# Allegro board 038NC-GRIFFI-V9A_16_20260429.brd (continued)
## Routing (per net, layer and track width the routed paths; a pad name or vN(x,y) marks a point on that pad's centre or on a via; arc(x,y) is an arc through that point) (continued)
  TOP w0.152: SITE1.S11 SITE1.F11 v1(28.99,261.57)
  L05_SIGNAL w0.076: v1(28.99,261.57) 29.78,262.36 30.51,262.36 30.91,261.95 30.91,261.09 31.22,260.78 35.41,260.78 37.9,263.27 37.9,273.18 32.66,278.41 32.66,293.37 30.09,295.94 v1(29.27,295.94)
  L30_SIGNAL w0.076: 30.02,348.26 30.02,296.69 v1(29.27,295.94)
GX1X_764_3-188: length 102.6
  TOP w0.152: SITE1.S12 SITE1.F12 29.39,262.44 v1(30.26,261.57)
  L05_SIGNAL w0.076: v1(30.26,261.57) 30.26,260.93 30.84,260.35 35.61,260.35 38.28,263.02 38.28,273.53 33.17,278.64 33.17,295.55 30.24,298.48 v1(29.27,298.48)
  L07_SIGNAL w0.076: 27.28,345.85 27.28,329.29 28.45,328.12 28.45,299.31 v1(29.27,298.48)
GX1X_765_3-189: length 103.6
  TOP w0.152: SITE1.S13 SITE1.F13 29.79,263.31 v1(31.53,261.57)
  L05_SIGNAL w0.076: v1(31.53,261.57) 32.19,262.23 36.22,262.23 37.26,263.27 37.26,269.93 36.3,270.89 34.11,270.89 32.61,272.39 32.61,276.43 30.18,278.87 30.18,293.29 27.53,295.94 v1(26.73,295.94)
  L26_SIGNAL w0.076: 25.17,348.65 25.17,297.5 v1(26.73,295.94)
GX1X_766_3-190: length 37.1
  L07_SIGNAL w0.076: UNK1K4.4 31.4,327.99 29.97,329.41 29.97,345.77
GX1X_770_4-2: length 5
  TOP w0.152: v1(151.52,201.57) 149.79,203.31 SITE10.F13 SITE10.S13
  vias: v1(139.01,178.59)
GX1X_771_4-3: length 4.7
  TOP w0.152: v1(150.25,201.57) 149.39,202.44 SITE10.F12 SITE10.S12
  vias: v1(136.47,176.05)
GX1X_772_4-4: length 4.3
  TOP w0.152: SITE10.S11 SITE10.F11 v1(148.98,201.57)
  vias: v1(136.47,178.59)
GX1X_773_4-5: length 4.7
  TOP w0.152: v1(147.71,201.57) 148.58,202.44 SITE10.F10 SITE10.S10
  vias: v1(149.17,176.05)
GX1X_774_4-6: length 5
  TOP w0.152: v1(146.44,201.57) 148.18,203.31 SITE10.F9 SITE10.S9
  vias: v1(149.17,178.59)
GX1X_776_4-8: length 5.5
  TOP w0.152: v1(142.63,203.96) 145.36,206.69 SITE10.F6
  vias: v1(146.63,176.05)
GX1X_777_4-9:
  vias: v1(146.63,178.59) v3(147.36,206.69)
GX1X_778_4-10:
  vias: v1(149.52,136.56)
GX1X_779_4-11:
  vias: v1(146.98,136.56)
GX1X_780_4-12: length 17.9
  TOP w0.152: v1(133.84,214.45) 134.63,213.66 139.61,213.66 140.14,213.13 140.14,209.95 141.01,209.09 143.8,209.09 144.6,208.29 SITE10.F2 SITE10.S2
GX1X_783_4-15:
  vias: v1(154.6,136.56)
GX1X_784_4-16:
  vias: v1(152.06,136.56)
GX1X_785_4-17: length 5.6
  TOP w0.152: v1(155.36,205.38) 153.25,207.49 SITE10.F18 SITE10.S18
  vias: v1(141.55,176.05)
GX1X_786_4-18: length 6
  TOP w0.152: SITE10.S17 SITE10.F17 152.38,207.09 v1(155.36,204.11)
  vias: v1(141.55,178.59)
GX1X_787_4-19: length 6.3
  TOP w0.152: v1(155.36,202.84) 151.51,206.69 SITE10.F16 SITE10.S16
  vias: v1(139.01,176.05)
GX1X_788_4-20: length 1.1
  TOP w0.152: UNK10SH40.1 v1(164.15,142.39)
GX1X_789_4-21: length 1.1
  TOP w0.152: UNK10SH41.1 v1(156.76,142.39)
GX1X_794_4-26: length 5
  TOP w0.152: SITE12.S13 SITE12.F13 179.79,203.31 v1(181.52,201.57)
  vias: v1(169.01,178.59)
GX1X_795_4-27: length 4.7
  TOP w0.152: SITE12.S12 SITE12.F12 179.38,202.44 v1(180.25,201.57)
  vias: v1(166.47,176.05)
GX1X_796_4-28: length 4.3
  TOP w0.152: SITE12.S11 SITE12.F11 v1(178.98,201.57)
  vias: v1(166.47,178.59)
GX1X_797_4-29: length 4.7
  TOP w0.152: v1(177.71,201.57) 178.58,202.44 SITE12.F10 SITE12.S10
  vias: v1(179.17,176.05)
GX1X_798_4-30: length 5
  TOP w0.152: v1(176.44,201.57) 178.18,203.31 SITE12.F9 SITE12.S9
  vias: v1(179.17,178.59)
GX1X_800_4-32: length 5.5
  TOP w0.152: SITE12.F6 175.36,206.69 v1(172.63,203.96)
  vias: v1(176.63,176.05)
GX1X_801_4-33:
  vias: v1(176.63,178.59) v3(177.36,206.69)
GX1X_802_4-34:
  vias: v1(179.52,136.56)
GX1X_803_4-35:
  vias: v1(176.98,136.56)
GX1X_804_4-36: length 17.9
  TOP w0.152: SITE12.S2 SITE12.F2 174.6,208.29 173.8,209.09 171.01,209.09 170.14,209.95 170.14,213.13 169.61,213.66 164.63,213.66 v1(163.84,214.45)
GX1X_807_4-39:
  vias: v1(184.6,136.56)
GX1X_808_4-40:
  vias: v1(182.06,136.56)
GX1X_809_4-41: length 5.6
  TOP w0.152: v1(185.36,205.38) 183.25,207.49 SITE12.F18 SITE12.S18
  vias: v1(171.55,176.05)
GX1X_810_4-42: length 6
  TOP w0.152: SITE12.S17 SITE12.F17 182.38,207.09 v1(185.36,204.11)
  vias: v1(171.55,178.59)
GX1X_811_4-43: length 6.3
  TOP w0.152: v1(185.36,202.84) 181.51,206.69 SITE12.F16 SITE12.S16
  vias: v1(169.01,176.05)
GX1X_812_4-44: length 1.1
  TOP w0.152: UNK12SH40.1 v1(194.15,142.39)
GX1X_813_4-45: length 1.1
  TOP w0.152: UNK12SH41.1 v1(186.76,142.39)
GX1X_818_4-50: length 5
  TOP w0.152: v1(211.52,201.57) 209.78,203.31 SITE14.F13 SITE14.S13
  vias: v1(199.01,178.59)
GX1X_819_4-51: length 4.7
  TOP w0.152: v1(210.25,201.57) 209.38,202.44 SITE14.F12 SITE14.S12
  vias: v1(196.47,176.05)
GX1X_820_4-52: length 4.3
  TOP w0.152: SITE14.S11 SITE14.F11 v1(208.98,201.57)
  vias: v1(196.47,178.59)
GX1X_821_4-53: length 4.7
  TOP w0.152: v1(207.71,201.57) 208.58,202.44 SITE14.F10 SITE14.S10
  vias: v1(209.17,176.05)
GX1X_822_4-54: length 5
  TOP w0.152: SITE14.S9 SITE14.F9 208.18,203.31 v1(206.44,201.57)
  vias: v1(209.17,178.59)
GX1X_824_4-56: length 5.5
  TOP w0.152: SITE14.F6 205.36,206.69 v1(202.63,203.96)
  vias: v1(206.63,176.05)
GX1X_825_4-57:
  vias: v1(206.63,178.59) v3(207.36,206.69)
GX1X_826_4-58:
  vias: v1(209.52,136.56)
GX1X_827_4-59:
  vias: v1(206.98,136.56)
GX1X_828_4-60: length 17.9
  TOP w0.152: SITE14.S2 SITE14.F2 204.6,208.29 203.8,209.09 201.01,209.09 200.14,209.95 200.14,213.13 199.61,213.66 194.63,213.66 v1(193.84,214.45)
GX1X_831_4-63:
  vias: v1(214.6,136.56)
GX1X_832_4-64:
  vias: v1(212.06,136.56)
GX1X_833_4-65: length 5.6
  TOP w0.152: SITE14.S18 SITE14.F18 213.25,207.49 v1(215.36,205.38)
  vias: v1(201.55,176.05)
GX1X_834_4-66: length 6
  TOP w0.152: SITE14.S17 SITE14.F17 212.38,207.09 v1(215.36,204.11)
  vias: v1(201.55,178.59)
GX1X_835_4-67: length 6.3
  TOP w0.152: v1(215.36,202.84) 211.51,206.69 SITE14.F16 SITE14.S16
  vias: v1(199.01,176.05)
GX1X_836_4-68: length 1.1
  TOP w0.152: UNK14SH40.1 v1(224.15,142.39)
GX1X_837_4-69: length 1.1
  TOP w0.152: UNK14SH41.1 v1(216.76,142.39)
GX1X_842_4-74: length 5
  TOP w0.152: v1(241.52,201.57) 239.78,203.31 SITE16.F13 SITE16.S13
  vias: v1(229.01,178.59)
GX1X_843_4-75: length 4.7
  TOP w0.152: SITE16.S12 SITE16.F12 239.38,202.44 v1(240.25,201.57)
  vias: v1(226.47,176.05)
GX1X_844_4-76: length 4.3
  TOP w0.152: SITE16.S11 SITE16.F11 v1(238.98,201.57)
  vias: v1(226.47,178.59)
GX1X_845_4-77: length 4.7
  TOP w0.152: v1(237.71,201.57) 238.58,202.44 SITE16.F10 SITE16.S10
  vias: v1(239.17,176.05)
GX1X_846_4-78: length 5
  TOP w0.152: SITE16.S9 SITE16.F9 238.18,203.31 v1(236.44,201.57)
  vias: v1(239.17,178.59)
GX1X_848_4-80: length 5.5
  TOP w0.152: v1(232.63,203.96) 235.36,206.69 SITE16.F6
  vias: v1(236.63,176.05)
GX1X_849_4-81:
  vias: v1(236.63,178.59) v3(237.36,206.69)
GX1X_850_4-82:
  vias: v1(239.52,136.56)
GX1X_851_4-83:
  vias: v1(236.98,136.56)
GX1X_852_4-84: length 17.9
  TOP w0.152: SITE16.S2 SITE16.F2 234.6,208.29 233.8,209.09 231.01,209.09 230.14,209.95 230.14,213.13 229.61,213.66 224.63,213.66 v1(223.84,214.45)
GX1X_855_4-87:
  vias: v1(244.6,136.56)
GX1X_856_4-88:
  vias: v1(242.06,136.56)
GX1X_857_4-89: length 5.6
  TOP w0.152: v1(245.36,205.38) 243.25,207.49 SITE16.F18 SITE16.S18
  vias: v1(231.55,176.05)
GX1X_858_4-90: length 6
  TOP w0.152: SITE16.S17 SITE16.F17 242.38,207.09 v1(245.36,204.11)
  vias: v1(231.55,178.59)
GX1X_859_4-91: length 6.3
  TOP w0.152: v1(245.36,202.84) 241.51,206.69 SITE16.F16 SITE16.S16
  vias: v1(229.01,176.05)
GX1X_860_4-92: length 1.1
  TOP w0.152: UNK16SH40.1 v1(254.15,142.39)
GX1X_861_4-93: length 1.1
  TOP w0.152: UNK16SH41.1 v1(246.76,142.39)
GX1X_865_4-97: length 5
  TOP w0.152: v1(116.45,201.57) 118.18,203.31 SITE8.F9 SITE8.S9
  vias: v1(119.17,178.59)
GX1X_866_4-98: length 4.7
  TOP w0.152: SITE8.S10 SITE8.F10 118.58,202.44 v1(117.72,201.57)
  vias: v1(119.17,176.05)
GX1X_867_4-99: length 4.3
  TOP w0.152: SITE8.S11 SITE8.F11 v1(118.99,201.57)
  vias: v1(106.47,178.59)
GX1X_868_4-100: length 4.7
  TOP w0.152: SITE8.S12 SITE8.F12 119.39,202.44 v1(120.26,201.57)
  vias: v1(106.47,176.05)
GX1X_869_4-101: length 5
  TOP w0.152: SITE8.S13 SITE8.F13 119.79,203.31 v1(121.53,201.57)
  vias: v1(109.01,178.59)
GX1X_874_4-106: length 1.1
  TOP w0.152: UNK6SH41.1 v1(96.76,142.39)
GX1X_875_4-107: length 1.1
  TOP w0.152: UNK6SH40.1 v1(104.15,142.39)
GX1X_876_4-108: length 6.3
  TOP w0.152: v1(95.36,202.84) 91.51,206.69 SITE6.F16 SITE6.S16
  vias: v1(79.01,176.05)
GX1X_877_4-109: length 6
  TOP w0.152: v1(95.36,204.11) 92.38,207.09 SITE6.F17 SITE6.S17
  vias: v1(81.55,178.59)
GX1X_878_4-110: length 5.6
  TOP w0.152: v1(95.36,205.38) 93.25,207.49 SITE6.F18 SITE6.S18
  vias: v1(81.55,176.05)
GX1X_879_4-111:
  vias: v1(92.06,136.56)
GX1X_880_4-112:
  vias: v1(94.6,136.56)
GX1X_883_4-115: length 17.9
  TOP w0.152: v1(73.84,214.45) 74.63,213.66 79.61,213.66 80.14,213.13 80.14,209.95 81.01,209.09 83.8,209.09 84.6,208.29 SITE6.F2 SITE6.S2
GX1X_884_4-116:
  vias: v1(86.98,136.56)
GX1X_885_4-117:
  vias: v1(89.52,136.56)
GX1X_886_4-118: length 5.5
  TOP w0.152: v1(82.63,203.96) 85.36,206.69 SITE6.F6
  vias: v1(86.63,176.05)
GX1X_887_4-119:
  vias: v1(86.63,178.59) v3(87.36,206.69)
GX1X_889_4-121: length 5
  TOP w0.152: SITE6.S9 SITE6.F9 88.18,203.31 v1(86.45,201.57)
  vias: v1(89.17,178.59)
GX1X_890_4-122: length 4.7
  TOP w0.152: v1(87.72,201.57) 88.59,202.44 SITE6.F10 SITE6.S10
  vias: v1(89.17,176.05)
GX1X_891_4-123: length 4.3
  TOP w0.152: v1(88.99,201.57) SITE6.F11 SITE6.S11
  vias: v1(76.47,178.59)
GX1X_892_4-124: length 4.7
  TOP w0.152: SITE6.S12 SITE6.F12 89.39,202.44 v1(90.26,201.57)
  vias: v1(76.47,176.05)
GX1X_893_4-125: length 5
  TOP w0.152: SITE6.S13 SITE6.F13 89.79,203.31 v1(91.53,201.57)
  vias: v1(79.01,178.59)
GX1X_898_4-130: length 1.1
  TOP w0.152: UNK8SH41.1 v1(126.76,142.39)
GX1X_899_4-131: length 1.1
  TOP w0.152: UNK8SH40.1 v1(134.15,142.39)
GX1X_900_4-132: length 6.3
  TOP w0.152: SITE8.S16 SITE8.F16 121.51,206.69 v1(125.36,202.84)
  vias: v1(109.01,176.05)
GX1X_901_4-133: length 6
  TOP w0.152: v1(125.36,204.11) 122.38,207.09 SITE8.F17 SITE8.S17
  vias: v1(111.55,178.59)
GX1X_902_4-134: length 5.6
  TOP w0.152: SITE8.S18 SITE8.F18 123.25,207.49 v1(125.36,205.38)
  vias: v1(111.55,176.05)
GX1X_903_4-135:
  vias: v1(122.06,136.56)
GX1X_904_4-136:
  vias: v1(124.6,136.56)
GX1X_907_4-139: length 17.9
  TOP w0.152: v1(103.84,214.45) 104.63,213.66 109.61,213.66 110.14,213.13 110.14,209.95 111.01,209.09 113.8,209.09 114.6,208.29 SITE8.F2 SITE8.S2
GX1X_908_4-140:
  vias: v1(116.98,136.56)
GX1X_909_4-141:
  vias: v1(119.52,136.56)
GX1X_910_4-142: length 5.5
  TOP w0.152: v1(112.63,203.96) 115.36,206.69 SITE8.F6
  vias: v1(116.63,176.05)
GX1X_911_4-143:
  vias: v1(116.63,178.59) v3(117.36,206.69)
GX1X_914_4-146: length 1.1
  TOP w0.152: UNK4SH41.1 v1(66.76,142.39)
GX1X_915_4-147: length 1.1
  TOP w0.152: UNK4SH40.1 v1(74.15,142.39)
GX1X_916_4-148: length 6.3
  TOP w0.152: v1(65.36,202.84) 61.51,206.69 SITE4.F16 SITE4.S16
  vias: v1(49.01,176.05)
GX1X_917_4-149: length 6
  TOP w0.152: SITE4.S17 SITE4.F17 62.38,207.09 v1(65.36,204.11)
  vias: v1(51.55,178.59)
GX1X_918_4-150: length 5.6
  TOP w0.152: v1(65.36,205.38) 63.25,207.49 SITE4.F18 SITE4.S18
  vias: v1(51.55,176.05)
GX1X_919_4-151:
  vias: v1(62.06,136.56)
GX1X_920_4-152:
  vias: v1(64.6,136.56)
GX1X_923_4-155: length 17.9
  TOP w0.152: SITE4.S2 SITE4.F2 54.6,208.29 53.8,209.09 51.01,209.09 50.14,209.95 50.14,213.13 49.61,213.66 44.63,213.66 v1(43.84,214.45)
GX1X_924_4-156:
  vias: v1(56.98,136.56)
GX1X_925_4-157:
  vias: v1(59.52,136.56)
GX1X_926_4-158: length 5.5
  TOP w0.152: SITE4.F6 55.36,206.69 v1(52.63,203.96)
  vias: v1(56.63,176.05)
GX1X_927_4-159:
  vias: v1(56.63,178.59) v3(57.36,206.69)
GX1X_929_4-161: length 5
  TOP w0.152: v1(56.45,201.57) 58.19,203.31 SITE4.F9 SITE4.S9
  vias: v1(59.17,178.59)
GX1X_930_4-162: length 4.7
  TOP w0.152: v1(57.72,201.57) 58.59,202.44 SITE4.F10 SITE4.S10
  vias: v1(59.17,176.05)
GX1X_931_4-163: length 4.3
  TOP w0.152: SITE4.S11 SITE4.F11 v1(58.99,201.57)
  vias: v1(46.47,178.59)
GX1X_932_4-164: length 4.7
  TOP w0.152: SITE4.S12 SITE4.F12 59.39,202.44 v1(60.26,201.57)
  vias: v1(46.47,176.05)
GX1X_933_4-165: length 5
  TOP w0.152: SITE4.S13 SITE4.F13 59.79,203.31 v1(61.53,201.57)
  vias: v1(49.01,178.59)
GX1X_938_4-170: length 1.1
  TOP w0.152: UNK2SH41.1 v1(36.76,142.39)
GX1X_939_4-171: length 1.1
  TOP w0.152: UNK2SH40.1 v1(44.15,142.39)
GX1X_940_4-172: length 6.3
  TOP w0.152: v1(35.36,202.84) 31.51,206.69 SITE2.F16 SITE2.S16
  vias: v1(19.01,176.05)
GX1X_941_4-173: length 6
  TOP w0.152: v1(35.36,204.11) 32.38,207.09 SITE2.F17 SITE2.S17
  vias: v1(21.55,178.59)
GX1X_942_4-174: length 5.6
  TOP w0.152: SITE2.S18 SITE2.F18 33.25,207.49 v1(35.36,205.38)
  vias: v1(21.55,176.05)
GX1X_943_4-175:
  vias: v1(32.06,136.56)
GX1X_944_4-176:
  vias: v1(34.6,136.56)
GX1X_947_4-179: length 17.9
  TOP w0.152: v1(13.84,214.45) 14.63,213.66 19.61,213.66 20.14,213.13 20.14,209.95 21.01,209.09 23.8,209.09 24.6,208.29 SITE2.F2 SITE2.S2
GX1X_948_4-180:
  vias: v1(26.98,136.56)
GX1X_949_4-181:
  vias: v1(29.52,136.56)
GX1X_950_4-182: length 5.5
  TOP w0.152: v1(22.63,203.96) 25.36,206.69 SITE2.F6
  vias: v1(26.63,176.05)
GX1X_951_4-183:
  vias: v1(26.63,178.59) v3(27.36,206.69)
GX1X_953_4-185: length 5
  TOP w0.152: SITE2.S9 SITE2.F9 28.19,203.31 v1(26.45,201.57)
  vias: v1(29.17,178.59)
GX1X_954_4-186: length 4.7
  TOP w0.152: v1(27.72,201.57) 28.59,202.44 SITE2.F10 SITE2.S10
  vias: v1(29.17,176.05)
GX1X_955_4-187: length 4.3
  TOP w0.152: v1(28.99,201.57) SITE2.F11 SITE2.S11
  vias: v1(16.47,178.59)
GX1X_956_4-188: length 4.7
  TOP w0.152: SITE2.S12 SITE2.F12 29.39,202.44 v1(30.26,201.57)
  vias: v1(16.47,176.05)
GX1X_957_4-189: length 5
  TOP w0.152: SITE2.S13 SITE2.F13 29.79,203.31 v1(31.53,201.57)
  vias: v1(19.01,178.59)
HDVI_723_10-CH3F: length 4.3
  TOP w0.254: v1(118.99,212) SITE8.F25
  TOP w1.016: v1(118.99,213.78) v1(118.99,212)
  vias: v1(122.06,141.64)
HDVI_723_10-CH3S:
  vias: v1(124.6,141.64) v3(118.99,209.12)
HDVI_725_10-CH5F: length 5
  TOP w0.254: SITE8.F5 114.33,207.09 v1(112.62,205.38)
HDVI_725_10-CH5S:
  vias: v1(114.09,176.05) v3(117.36,207.09)
HDVI_728_10-CH8F: length 4.8
  TOP w0.254: SITE8.F19 124.27,207.89 v1(125.35,206.81)
HDVI_728_10-CH8S:
  vias: v1(114.09,178.59) v3(120.61,207.89)
HDVI_731_10-CH11F: length 4.3
  TOP w0.254: 88.99,212 SITE6.F25
  TOP w1.016: v1(88.99,213.78) 88.99,212
  vias: v1(92.06,141.64)
HDVI_731_10-CH11S:
  vias: v1(94.6,141.64) v3(88.99,209.12)
HDVI_733_10-CH13F: length 5
  TOP w0.254: SITE6.F5 84.33,207.09 v1(82.62,205.38)
HDVI_733_10-CH13S:
  vias: v1(84.09,176.05) v3(87.36,207.09)
HDVI_736_10-CH16F: length 4.8
  TOP w0.254: v1(95.35,206.81) 94.27,207.89 SITE6.F19
HDVI_736_10-CH16S:
  vias: v1(84.09,178.59) v3(90.61,207.89)
HDVI_739_10-CH19F: length 4.3
  TOP w0.254: v1(28.99,212) SITE2.F25
  TOP w1.016: v1(28.99,213.78) v1(28.99,212)
  vias: v1(32.06,141.64)
HDVI_739_10-CH19S:
  vias: v1(34.6,141.64) v3(28.99,209.12)
HDVI_741_10-CH21F: length 5
  TOP w0.254: v1(22.62,205.38) 24.33,207.09 SITE2.F5
HDVI_741_10-CH21S:
  vias: v1(24.09,176.05) v3(27.36,207.09)
HDVI_744_10-CH24F: length 4.8
  TOP w0.254: v1(35.35,206.81) 34.27,207.89 SITE2.F19
HDVI_744_10-CH24S:
  vias: v1(24.09,178.59) v3(30.61,207.89)
HDVI_755_10-CH35F: length 4.3
  TOP w0.254: v1(238.98,212) SITE16.F25
  TOP w1.016: v1(238.98,213.78) v1(238.98,212)
  vias: v1(242.06,141.64)
HDVI_755_10-CH35S:
  vias: v1(244.6,141.64) v3(238.98,209.12)
HDVI_757_10-CH37F: length 5
  TOP w0.254: v1(232.62,205.38) 234.33,207.09 SITE16.F5
HDVI_757_10-CH37S:
  vias: v1(234.09,176.05) v3(237.36,207.09)
HDVI_760_10-CH40F: length 4.8
  TOP w0.254: v1(245.35,206.81) 244.27,207.89 SITE16.F19
HDVI_760_10-CH40S:
  vias: v1(234.09,178.59) v3(240.61,207.89)
HDVI_763_10-CH43F: length 4.3
  TOP w0.254: v1(208.98,212) SITE14.F25
  TOP w1.016: v1(208.98,213.78) v1(208.98,212)
  vias: v1(212.06,141.64)
HDVI_763_10-CH43S:
  vias: v1(214.6,141.64) v3(208.98,209.12)
HDVI_765_10-CH45F: length 5
  TOP w0.254: SITE14.F5 204.33,207.09 v1(202.62,205.38)
HDVI_765_10-CH45S:
  vias: v1(204.09,176.05) v3(207.36,207.09)
HDVI_768_10-CH48F: length 4.8
  TOP w0.254: v1(215.35,206.81) 214.27,207.89 SITE14.F19
HDVI_768_10-CH48S:
  vias: v1(204.09,178.59) v3(210.61,207.89)
HDVI_771_10-CH51F: length 4.3
  TOP w0.254: v1(178.98,212) SITE12.F25
  TOP w1.016: v1(178.98,213.78) v1(178.98,212)
  vias: v1(182.06,141.64)
HDVI_771_10-CH51S:
  vias: v1(184.6,141.64) v3(178.98,209.12)
HDVI_773_10-CH53F: length 5
  TOP w0.254: SITE12.F5 174.33,207.09 v1(172.62,205.38)
HDVI_773_10-CH53S:
  vias: v1(174.09,176.05) v3(177.36,207.09)
HDVI_776_10-CH56F: length 4.8
  TOP w0.254: SITE12.F19 184.27,207.89 v1(185.35,206.81)
HDVI_776_10-CH56S:
  vias: v1(174.09,178.59) v3(180.61,207.89)
HDVI_779_10-CH59F: length 4.3
  TOP w0.254: v1(148.98,212) SITE10.F25
  TOP w1.016: v1(148.98,213.78) v1(148.98,212)
  vias: v1(152.06,141.64)
HDVI_779_10-CH59S:
  vias: v1(154.6,141.64) v3(148.98,209.12)
HDVI_781_10-CH61F: length 5
  TOP w0.254: SITE10.F5 144.33,207.09 v1(142.62,205.38)
HDVI_781_10-CH61S:
  vias: v1(144.09,176.05) v3(147.36,207.09)
HDVI_784_10-CH64F: length 4.8
  TOP w0.254: SITE10.F19 154.27,207.89 v1(155.35,206.81)
HDVI_784_10-CH64S:
  vias: v1(144.09,178.59) v3(150.61,207.89)
HDVI_787_10-CH67F: length 4.3
  TOP w0.254: v1(58.99,212) SITE4.F25
  TOP w1.016: v1(58.99,213.78) v1(58.99,212)
  vias: v1(62.06,141.64)
HDVI_787_10-CH67S:
  vias: v1(64.6,141.64) v3(58.99,209.12)
HDVI_789_10-CH69F: length 5
  TOP w0.254: v1(52.62,205.38) 54.33,207.09 SITE4.F5
HDVI_789_10-CH69S:
  vias: v1(54.09,176.05) v3(57.36,207.09)
HDVI_792_10-CH72F: length 4.8
  TOP w0.254: SITE4.F19 64.27,207.89 v1(65.35,206.81)
HDVI_792_10-CH72S:
  vias: v1(54.09,178.59) v3(60.61,207.89)
HDVI_939_13-CH3F: length 4.3
  TOP w0.254: v1(148.98,272) SITE9.F25
  TOP w1.016: v1(148.98,273.78) v1(148.98,272)
  vias: v1(145.91,335.54)
HDVI_939_13-CH3S:
  vias: v1(143.37,335.54) v3(148.98,269.12)
HDVI_941_13-CH5F: length 5
  TOP w0.254: v1(142.62,265.38) 144.33,267.09 SITE9.F5
HDVI_941_13-CH5S:
  vias: v1(141.65,298.48) v3(147.36,267.09)
HDVI_944_13-CH8F: length 4.8
  TOP w0.254: v1(155.35,266.81) 154.27,267.89 SITE9.F19
HDVI_944_13-CH8S:
  vias: v1(141.65,295.94) v3(150.61,267.89)
HDVI_947_13-CH11F: length 4.3
  TOP w0.254: v1(178.98,272) SITE11.F25
  TOP w1.016: v1(178.98,273.78) v1(178.98,272)
  vias: v1(175.91,335.54)
HDVI_947_13-CH11S:
  vias: v1(173.37,335.54) v3(178.98,269.12)
HDVI_949_13-CH13F: length 5
  TOP w0.254: SITE11.F5 174.33,267.09 v1(172.62,265.38)
HDVI_949_13-CH13S:
  vias: v1(171.65,298.48) v3(177.36,267.09)
HDVI_952_13-CH16F: length 4.8
  TOP w0.254: v1(185.35,266.81) 184.27,267.89 SITE11.F19
HDVI_952_13-CH16S:
  vias: v1(171.65,295.94) v3(180.61,267.89)
HDVI_955_13-CH19F: length 4.3
  TOP w0.254: v1(238.98,272) SITE15.F25
  TOP w1.016: v1(238.98,273.78) v1(238.98,272)
  vias: v1(235.91,335.54)
HDVI_955_13-CH19S:
  vias: v1(233.37,335.54) v3(238.98,269.12)
HDVI_957_13-CH21F: length 5
  TOP w0.254: v1(232.62,265.38) 234.33,267.09 SITE15.F5
HDVI_957_13-CH21S:
  vias: v1(231.65,298.48) v3(237.36,267.09)
HDVI_960_13-CH24F: length 4.8
  TOP w0.254: SITE15.F19 244.27,267.89 v1(245.35,266.81)
HDVI_960_13-CH24S:
  vias: v1(231.65,295.94) v3(240.61,267.89)
HDVI_971_13-CH35F: length 4.3
  TOP w0.254: v1(28.99,272) SITE1.F25
  TOP w1.016: v1(28.99,273.78) v1(28.99,272)
  vias: v1(25.91,335.54)
HDVI_971_13-CH35S:
  vias: v1(23.37,335.54) v3(28.99,269.12)
HDVI_973_13-CH37F: length 5
  TOP w0.254: v1(22.62,265.38) 24.33,267.09 SITE1.F5
HDVI_973_13-CH37S:
  vias: v1(21.65,298.48) v3(27.36,267.09)
HDVI_976_13-CH40F: length 4.8
  TOP w0.254: v1(35.35,266.81) 34.27,267.89 SITE1.F19
HDVI_976_13-CH40S:
  vias: v1(21.65,295.94) v3(30.61,267.89)
HDVI_979_13-CH43F: length 4.3
  TOP w0.254: v1(58.99,272) SITE3.F25
  TOP w1.016: v1(58.99,273.78) v1(58.99,272)
  vias: v1(55.91,335.54)
HDVI_979_13-CH43S:
  vias: v1(53.37,335.54) v3(58.99,269.12)
HDVI_981_13-CH45F: length 5
  TOP w0.254: v1(52.62,265.38) 54.33,267.09 SITE3.F5
HDVI_981_13-CH45S:
  vias: v1(51.65,298.48) v3(57.36,267.09)
HDVI_984_13-CH48F: length 4.8
  TOP w0.254: v1(65.35,266.81) 64.27,267.89 SITE3.F19
HDVI_984_13-CH48S:
  vias: v1(51.65,295.94) v3(60.61,267.89)
HDVI_987_13-CH51F: length 4.3
  TOP w0.254: v1(88.99,272) SITE5.F25
  TOP w1.016: v1(88.99,273.78) v1(88.99,272)
  vias: v1(85.91,335.54)
HDVI_987_13-CH51S:
  vias: v1(83.37,335.54) v3(88.99,269.12)
HDVI_989_13-CH53F: length 5
  TOP w0.254: SITE5.F5 84.33,267.09 v1(82.62,265.38)
HDVI_989_13-CH53S:
  vias: v1(81.65,298.48) v3(87.36,267.09)
HDVI_992_13-CH56F: length 4.8
  TOP w0.254: SITE5.F19 94.27,267.89 v1(95.35,266.81)
HDVI_992_13-CH56S:
  vias: v1(81.65,295.94) v3(90.61,267.89)
HDVI_995_13-CH59F: length 4.3
  TOP w0.254: v1(118.99,272) SITE7.F25
  TOP w1.016: v1(118.99,273.78) v1(118.99,272)
  vias: v1(115.91,335.54)
HDVI_995_13-CH59S:
  vias: v1(113.37,335.54) v3(118.99,269.12)
HDVI_997_13-CH61F: length 5
  TOP w0.254: v1(112.62,265.38) 114.33,267.09 SITE7.F5
HDVI_997_13-CH61S:
  vias: v1(111.65,298.48) v3(117.36,267.09)
HDVI_1000_13-CH64F: length 4.8
  TOP w0.254: SITE7.F19 124.27,267.89 v1(125.35,266.81)
HDVI_1000_13-CH64S:
  vias: v1(111.65,295.94) v3(120.61,267.89)
HDVI_1003_13-CH67F: length 4.3
  TOP w0.254: v1(208.98,272) SITE13.F25
  TOP w1.016: v1(208.98,273.78) v1(208.98,272)
  vias: v1(205.91,335.54)
HDVI_1003_13-CH67S:
  vias: v1(203.37,335.54) v3(208.98,269.12)
HDVI_1005_13-CH69F: length 5
  TOP w0.254: SITE13.F5 204.33,267.09 v1(202.62,265.38)
HDVI_1005_13-CH69S:
  vias: v1(201.65,298.48) v3(207.36,267.09)
HDVI_1008_13-CH72F: length 4.8
  TOP w0.254: v1(215.35,266.81) 214.27,267.89 SITE13.F19
HDVI_1008_13-CH72S:
  vias: v1(201.65,295.94) v3(210.61,267.89)
Net_1069:
  vias: v2(223.98,156.49)
REG1_P3V3: length 3.1
  TOP w0.254: U4.12 58.77,104.26 v1(58.12,104.91)
  vias: v1(56.99,106.51) v1(56.99,104.88) v1(56.99,103.28) v1(56.99,101.68) v1(58.12,103.28) v1(58.12,101.68) v1(75.57,106.97) v1(75.57,105.41) v1(75.57,101.6) v3(58.12,108.17) v3(58.12,107.52) v3(58.12,106.87) v3(58.12,106.22)
REG1_P_5V: length 24.5
  BOTTOM w0.152: v1(197.21,118.36) C101.1 U47.4 U47.2 184.79,108.48 R383.1
RLY_5V:
  vias: v1(27.31,127) v1(39.67,120.65) v1(44.4,120.65) v1(47.14,126.11)
S1_AVSS_GS:
  vias: v1(21.62,268.34) v1(30.46,276.2) v1(30.47,274.78)
S1_AVSS_S[01]: length 6
  TOP w0.152: v1(22.62,268.34) 23.69,268.34 24.13,267.89 SITE1.S3
  BOTTOM w0.152: UNK1RS3.2 v1(22.62,268.34)
S1_EPAD2:
  vias: v1(31.46,276.2)
S1_NCHG / ATB0_F: length 23.2
  TOP w0.254: v1(27.5,273.78) 27.5,271.94 28.59,270.86 SITE1.F26
  L03_SIGNAL w0.076: UNK1K14.3 25.4,288.87 25.4,282.85 28.07,280.19 28.07,274.35 v1(27.5,273.78)
S1_NCHG / ATB0_S: length 22.8
  L03_SIGNAL w0.076: v3(28.59,269.12) 28.59,270.37 29.74,271.53 29.74,275.18 28.8,276.12 28.8,288.67 27.14,290.34 UNK1TP_NCHG/ATB0_S.1
S1_NPG / ATB1_F: length 25.7
  TOP w0.254: v1(26.02,273.78) 26.02,272.4 28.19,270.24 SITE1.F27
  L03_SIGNAL w0.076: v1(26.02,273.78) 25.22,274.58 25.22,277.88 18.03,285.06 18.03,288.78 UNK1K13.3
S1_NPG / ATB1_S: length 24.8
  L03_SIGNAL w0.076: UNK1K13.6 22.63,287.38 22.63,283.85 26.7,279.78 26.7,272.87 28.19,271.38 v3(28.19,269.12)
S1_NTC: length 67.2
  TOP w0.152: SITE1.S7 SITE1.F7 26.23,266.29 v1(22.63,262.69)
  L03_SIGNAL w0.076: v1(22.63,262.69) 23.27,263.32 23.27,279.27 19.35,283.18 16.36,283.18 15.44,284.1 15.44,299.14 23.39,307.08 UNK1TP_NTC.1
S1_NTC_K4K: length 31.6
  TOP w0.152: UNK1K7.3 17.57,308.18 24.75,308.18 25.53,307.39 25.53,305.48 UNK1K6.3 30.4,303.88 UNK1K4.2 29.9,306.37 29.9,307.39 30.74,308.23 35.54,308.23 36.69,307.08 UNK1K5.3
S1_SCL: length 9
  TOP w0.152: v1(35.36,261.57) 31.01,265.92 SITE1.F15 SITE1.S15 ; UNK1TP_SCL.1 UNK1SH40.2
S1_SCL_K9R: length 2.8
  TOP w0.152: UNK1K9.5 16.25,328.04 UNK1R7.2
S1_SDA: length 7.5
  TOP w0.152: v1(32.8,261.57) 30.19,264.18 SITE1.F14 SITE1.S14 ; UNK1TP_SDA.1 UNK1SH41.2
S1_SDA_K9R: length 2.8
  TOP w0.152: UNK1R8.2 19.89,328.04 UNK1K9.4
S1_VBAT_F: length 17.8
  TOP w0.152: v1(25.12,269.34) 25.77,268.69 SITE1.F1
  TOP w1.016: v1(22.62,271.3) 23.16,271.3 v1(25.12,269.34)
  BOTTOM w1.016: UNK1K10.3 35.47,287.14 36.65,285.95 36.65,284.72 38.05,283.33 39.49,283.33 40.5,284.34 40.5,286.04 41.61,287.14 UNK1TP_VBAT_F.1
S1_VBAT_K11C: length 2.2
  BOTTOM w0.152: UNK1C6.1 UNK1K11.4
S1_VBAT_K12: length 22.5
  BOTTOM w0.152: UNK1C9.1 33.59,297.11 UNK1U1.6 35.84,296.34 36.66,295.53 36.66,291.57 37.14,291.08 42.6,291.08 43.9,289.79 43.9,286.78 UNK1TP_REF_5V.1
S1_VBAT_S: length 8.4
  BOTTOM w0.152: UNK1K10.6 32.49,288.24 37.76,288.24 UNK1TP_VBAT_S.1
  vias: v3(27.36,268.69)
S1_VBUS_CK: length 8
  BOTTOM w0.152: UNK1C2.2 30.51,239.17 32.97,241.63 32.97,242.84 UNK1K1.3
S1_VSET: length 23.1
  TOP w0.152: SITE1.S8 SITE1.F8 27.79,264.18 v1(25.18,261.57) ; UNK1TP_VEST.1 UNK1K3.3
  L03_SIGNAL w0.076: UNK1K3.3 16.92,267.4 16.92,262.92 18.27,261.57 v1(25.18,261.57)
S1_VSET_K3R: length 6.1
  BOTTOM w0.152: UNK1K3.2 16.23,265.88 16.23,261.71 UNK1R1.2
S2_AVSS_GS:
  vias: v1(21.62,208.34) v1(30.46,216.2) v1(30.47,214.78)
S2_AVSS_S[01]: length 6
  TOP w0.152: v1(22.62,208.34) 23.69,208.34 24.13,207.89 SITE2.S3
  BOTTOM w0.152: UNK2RS3.2 v1(22.62,208.34)
S2_EPAD2:
  vias: v1(31.46,216.2)
